# Altium PCB FMC_ADC_100M_10B_16CHA_TDC.PcbDoc (part 1 of 4) (continued)
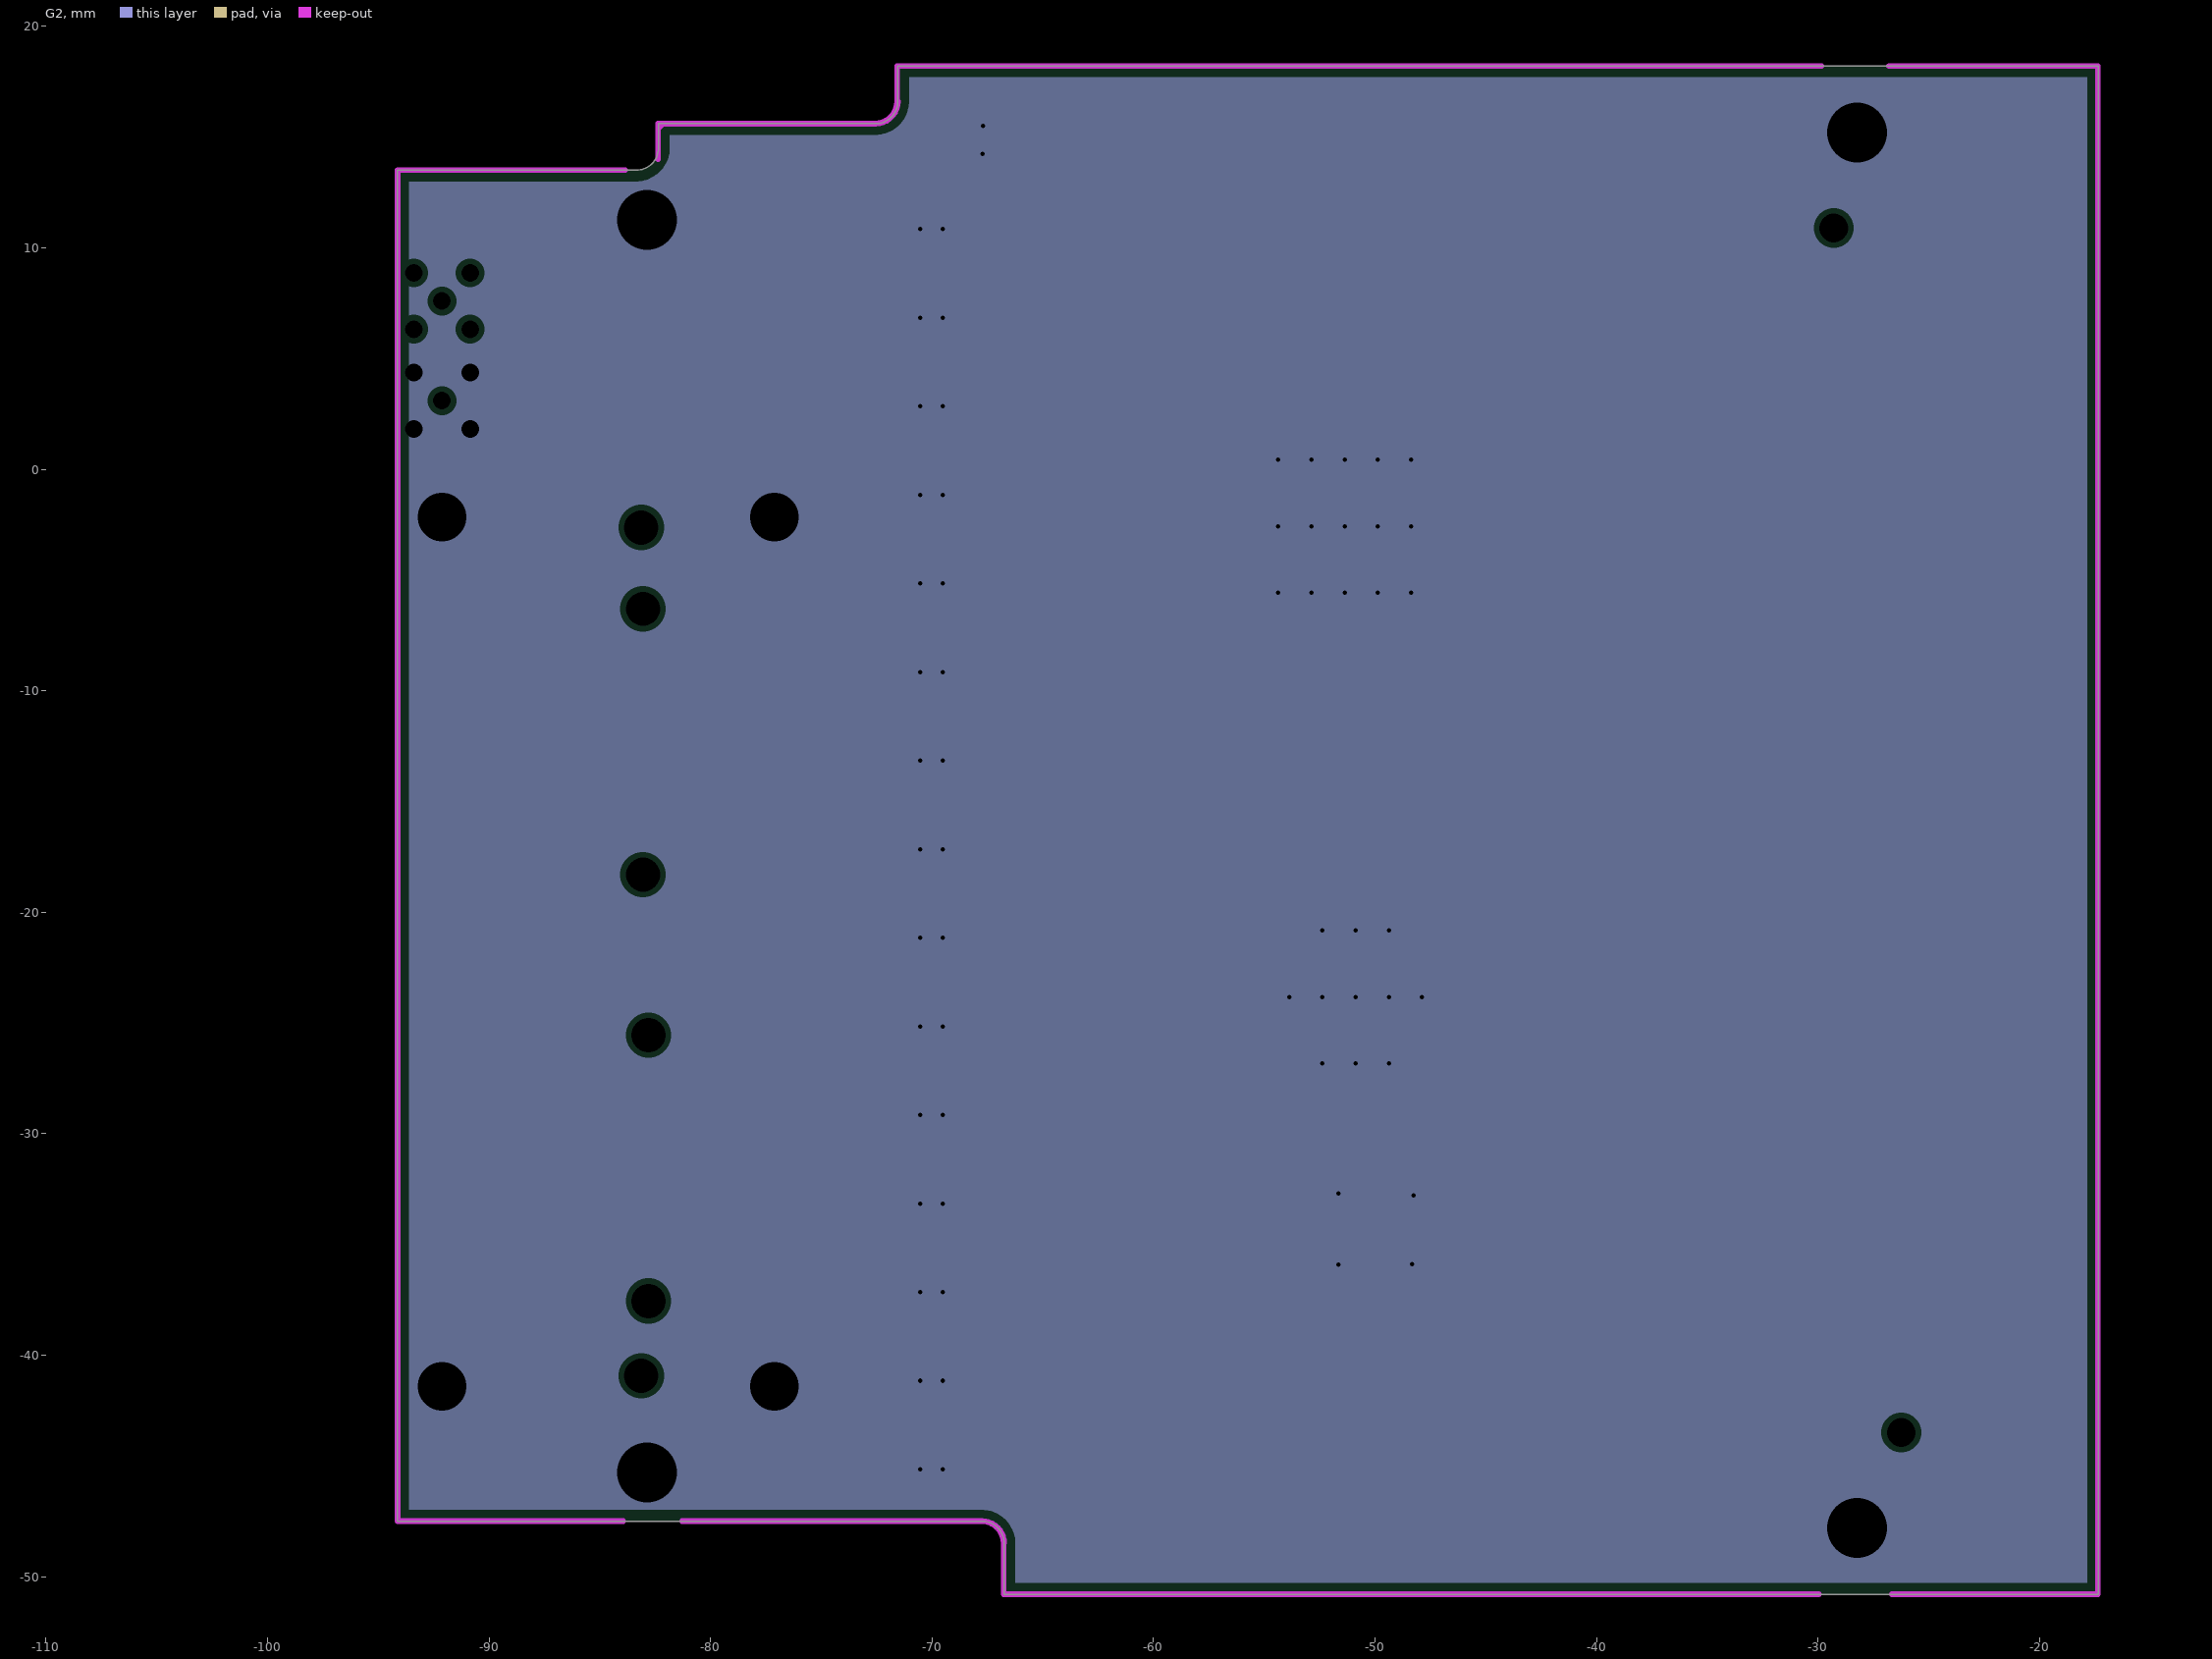
[diagram p3: G2, clearances drawn from the general rule]
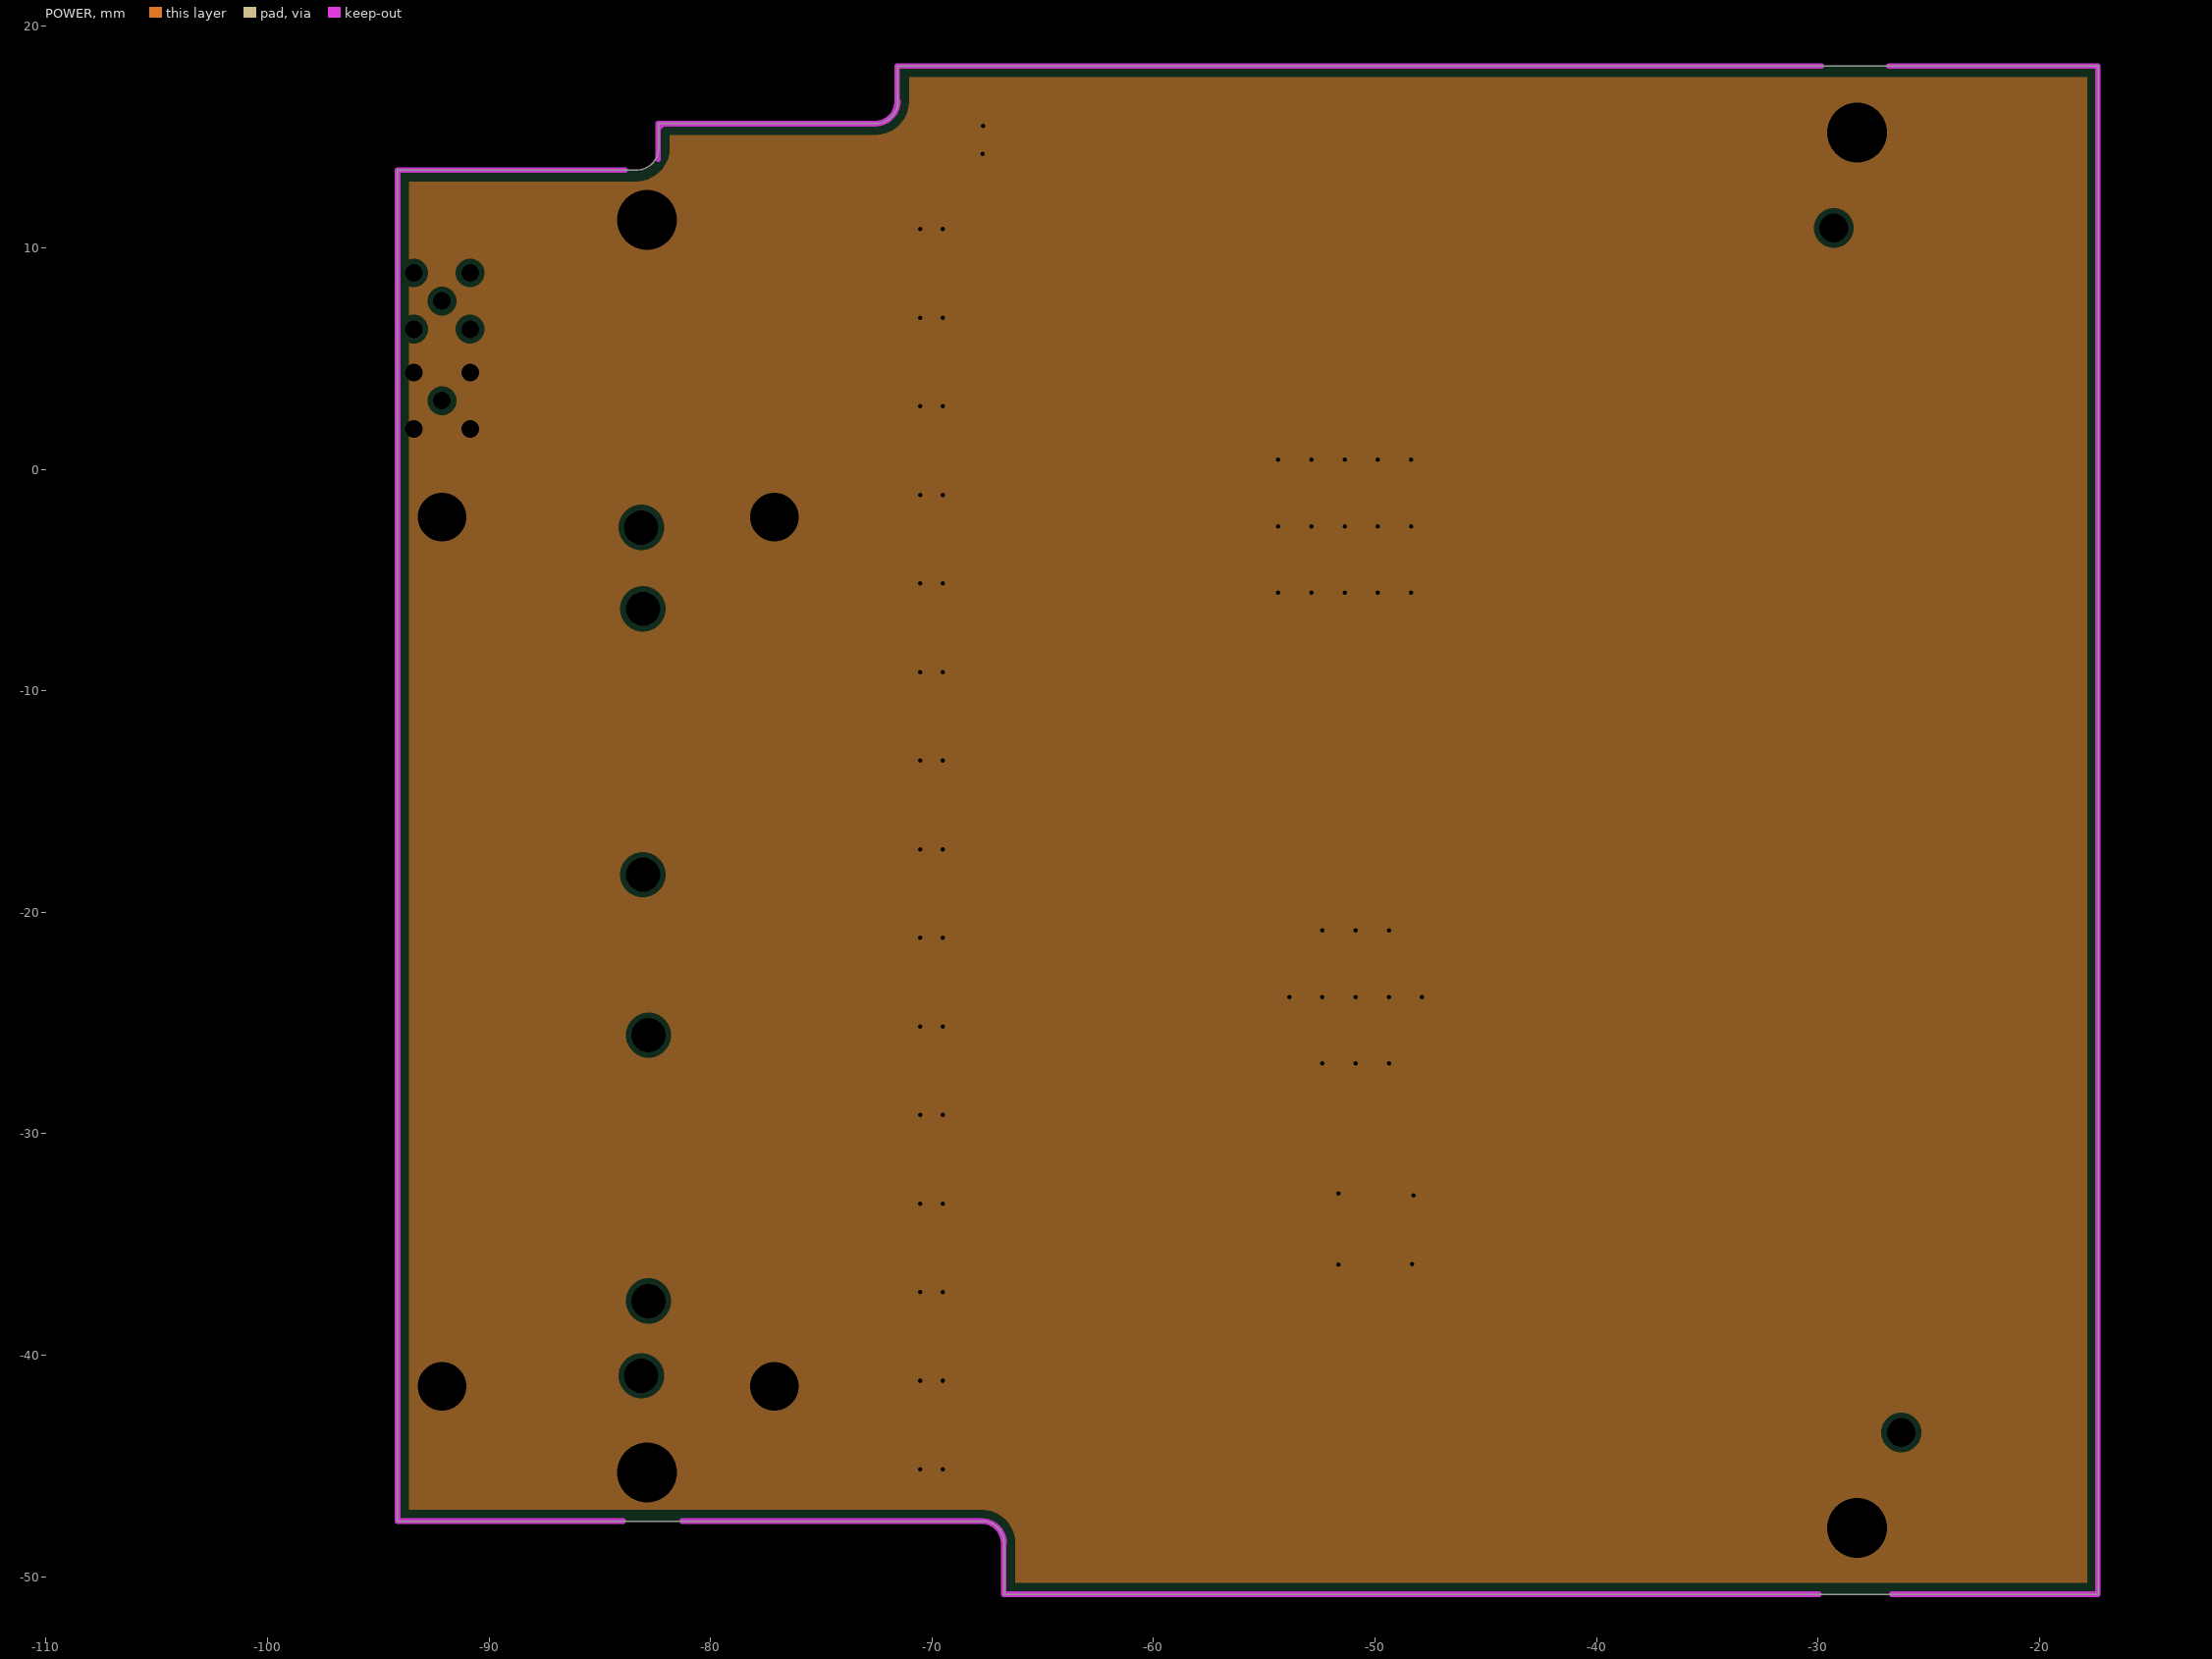
[diagram p4: POWER, clearances drawn from the general rule]

## Layer stack, top to bottom
TopSolder: solder mask 0.01, Solder Resist, Dk 3.5
TOP: signal copper 0.035
Dielectric1: prepreg 0.18, FR-4, Dk 4.8
G1: plane copper 0.018, net GND
Dielectric2: core 0.3, FR-4, Dk 4.8
L1: signal copper 0.018
Dielectric 3: prepreg 0.18, FR-4, Dk 4.8
G2: plane copper 0.018, net GND
Dielectric 4: core 0.3, FR-4, Dk 4.8
POWER: plane copper 0.018, net GND
Dielectric5: prepreg 0.18, FR-4, Dk 4.8
BOTTOM: signal copper 0.035
BottomSolder: solder mask 0.01, Solder Resist, Dk 3.5

## Board outline
-94.131,-47.49 -94.131,13.51 -83.347,13.51 ccw(c-83.347,14.51) -82.347,14.51 -82.347,15.61 -72.547,15.61 ccw(c-72.547,16.61) -71.547,16.61 -71.547,18.21 -17.347,18.21 -17.347,-50.79 -66.747,-50.79 -66.747,-48.49 ccw(c-67.747,-48.49) -67.747,-47.49

## Design rules (kind name [scope] priority, off if disabled: settings)
AcuteAngle [All] p1: minimum=4.50000000000000E+0001 checktracksonly=FALSE
AssemblyTestPointUsage [All] p1 off:
AssemblyTestpoint [All] p1 off: testpointundercomponent=TRUE minsize=1.016 maxsize=2.54 preferedsize=1.524 minholesize=0 maxholesize=1.016 preferedholesize=0.813 testpointgrid=0.025 usegrid=TRUE gridtolerance=0 allowsidetop=TRUE allowsidebottom=TRUE
Clearance "Clearance_gnd l3" [(InNamedPolygon('gnd L3'))] p1: gap=0.381 ignorepadtopadclearanceinfootprint=FALSE except(0: Arc-Hole Track-Hole SMDPad-Hole THPad-Hole Via-Hole Fill-Hole Poly-Hole Region-Hole Text-Hole)
Clearance "Clearance_poly gnd" [(InNamedPolygon('Top Layer-No Net') AND InNet('GND'))] p2: gap=0.254 ignorepadtopadclearanceinfootprint=FALSE except(0: Arc-Hole Track-Hole SMDPad-Hole THPad-Hole Via-Hole Fill-Hole Poly-Hole Region-Hole Text-Hole)
Clearance "Clearance_poly gnd_1" [InPolygon] p3: gap=0.254 ignorepadtopadclearanceinfootprint=FALSE except(0: Arc-Hole Track-Hole SMDPad-Hole THPad-Hole Via-Hole Fill-Hole Poly-Hole Region-Hole Text-Hole)
Clearance Clearance_1 [InNet('EXT_CLK_IN') vs InNetClass('Power')] p4 off: gap=0.254 ignorepadtopadclearanceinfootprint=FALSE except(0: Arc-Hole Track-Hole SMDPad-Hole THPad-Hole Via-Hole Fill-Hole Poly-Hole Region-Hole Text-Hole)
Clearance Clearance_trou [InNetClass('ADC_data') vs InNetClass('ADC_data')] p5 off: gap=0.102 ignorepadtopadclearanceinfootprint=FALSE except(0: Arc-Hole Track-Hole SMDPad-Hole THPad-Hole Via-Hole Fill-Hole Poly-Hole Region-Hole Text-Hole)
Clearance [All] p6: gap=0.076 ignorepadtopadclearanceinfootprint=FALSE except(0: Arc-Hole Track-Hole SMDPad-Hole THPad-Hole Via-Hole Fill-Hole Poly-Hole Region-Hole Text-Hole)
ComponentClearance NO_DRC [InComponentClass('NO_DRC')] p1 off: gap=0 collisioncheckmode=3 verticalgap=2540 showdistances=FALSE
ComponentClearance [All] p2 off: gap=0.025 collisioncheckmode=3 verticalgap=2540 showdistances=FALSE
DiffPairsRouting [All] p1: maxlimit=0.305 minlimit=0.203 mostfreqgap=0.254 toplayer_minwidth=0.381 toplayer_maxwidth=0.381 toplayer_prefwidth=0.381 midlayer2_minwidth=0.381 midlayer2_maxwidth=0.381 midlayer2_prefwidth=0.381 bottomlayer_minwidth=0.381 bottomlayer_maxwidth=0.381 bottomlayer_prefwidth=0.381 maxuncoupledlength=15.24
FabricationTestPointUsage TestPointUsage [All] p1 off: valid=0 allowmultiple=FALSE
FabricationTestpoint Testpoint [All] p1 off: side=3 testpointundercomponent=TRUE minsize=1.016 maxsize=2.54 preferedsize=1.524 minholesize=0 maxholesize=1.016 preferedholesize=0.813 testpointgrid=0.025 allowsidetop=TRUE allowsidebottom=TRUE usegrid=TRUE gridtolerance=0
FanoutControl Fanout_BGA [IsBGA] p1 off: bgadir=Out bgaviamode=Centered fanoutstyle=Auto fanoutdirection=Alternating viagrid=0.025 // Fanout_BGA (Default Rule)
FanoutControl Fanout_LCC [IsLCC] p2 off: bgadir=Out bgaviamode=Centered fanoutstyle=Auto fanoutdirection=Alternating viagrid=0.025 // Fanout_LCC (Default Rule)
FanoutControl Fanout_SOIC [IsSOIC] p3 off: bgadir=Out bgaviamode=Centered fanoutstyle=Auto fanoutdirection=Alternating viagrid=0.025 // Fanout_SOIC (Default Rule)
FanoutControl Fanout_Small [(CompPinCount < 5)] p4 off: bgadir=Out bgaviamode=Centered fanoutstyle=Auto fanoutdirection=OutThenIn viagrid=0.025 // Fanout_Small (Default Rule)
FanoutControl Fanout_Default [All] p5 off: bgadir=Out bgaviamode=Centered fanoutstyle=Auto fanoutdirection=Alternating viagrid=0.025 // Fanout_Default (Default Rule)
Height Height_Top [OnTop] p1 off: minheight=0 maxheight=9.398 prefheight=8.89
Height Height_Bot [OnBottom] p2 off: minheight=0 maxheight=1.473 prefheight=1.321
HoleSize [All] p1: absolutevalues=TRUE maxlimit=25.4 minlimit=0.15 maxpercent=80.000 minpercent=20.000
HoleToHoleClearance [All] p1: gap=0.127 allowstackedmicrovias=TRUE
MinimumAnnularRing [All] p1: minimumring=0.1
MinimumSolderMaskSliver [All] p1 off: minsoldermaskwidth=0.025
PlaneClearance [All] p1: clearance=0.25
PlaneConnect Vias_Plane [IsVia] p1: planeconnectstyle=Direct reliefexpansion=0.508 reliefentries=4 reliefconductorwidth=0.254 reliefairgap=0.254
PlaneConnect [All] p2: planeconnectstyle=Relief reliefexpansion=0.203 reliefentries=4 reliefconductorwidth=0.254 reliefairgap=0.203
PolygonConnect Direc [InPadClass(Direc)] p1: connectstyle=Direct reliefconductorwidth=0.254 reliefentries=4 polygonreliefangle="90 Angle" airgapwidth=0.254
PolygonConnect Vias [IsVia] p2: connectstyle=Direct reliefconductorwidth=0.254 reliefentries=4 polygonreliefangle="90 Angle" airgapwidth=0.254
PolygonConnect [All] p3: connectstyle=Direct reliefconductorwidth=0.406 reliefentries=4 polygonreliefangle="90 Angle" airgapwidth=0.254
RoomDefinition Translators [InComponentClass('Translators')] p1: confinementstyle=ConfineIn formatcopy=TRUE lockcomponents=FALSE outline -16.397,-42.841 264.352,-42.841 264.352,-36.841 -16.397,-36.841
RoomDefinition IDX_CTRL [InComponentClass('IDX_CTRL')] p2: confinementstyle=ConfineIn formatcopy=TRUE lockcomponents=FALSE outline -16.397,-49.091 17.853,-49.091 17.853,-41.591 -16.397,-41.591
RoomDefinition U_ADC1 [InComponentClass('U_ADC1')] p3: confinementstyle=ConfineIn formatcopy=TRUE lockcomponents=FALSE outline -57.5,-29 -45.25,-29 -45.25,-18.25 -57.5,-18.25
RoomDefinition U_ADC0 [InComponentClass('U_ADC0')] p4: confinementstyle=ConfineIn formatcopy=TRUE lockcomponents=FALSE outline -58,-7.75 -45.75,-7.75 -45.75,3 -58,3
RoomDefinition U_DACs [InComponentClass('U_DACs')] p5: confinementstyle=ConfineIn formatcopy=TRUE lockcomponents=FALSE outline -93.425,-37.982 -93.425,-26.15 -84.095,-26.15 -84.095,-37.982
RoomDefinition U_SAS_Connectors [InComponentClass('U_SAS_Connectors')] p6: confinementstyle=ConfineIn formatcopy=TRUE lockcomponents=FALSE outline -69.75,-49.25 -109.5,-49.25 -109.5,0.25 -69.75,0.25
RoomDefinition U_TDC3 [InComponentClass('U_TDC3')] p7: confinementstyle=ConfineIn formatcopy=TRUE lockcomponents=FALSE outline -57.625,-50.3 -42.375,-50.3 -42.375,-39.8 -57.625,-39.8
RoomDefinition U_TDC2 [InComponentClass('U_TDC2')] p8: confinementstyle=ConfineIn formatcopy=TRUE lockcomponents=FALSE outline -57.625,-39.65 -42.375,-39.65 -42.375,-29.15 -57.625,-29.15
RoomDefinition U_TDC1 [InComponentClass('U_TDC1')] p9: confinementstyle=ConfineIn formatcopy=TRUE lockcomponents=FALSE outline -57.875,-18.4 -42.625,-18.4 -42.625,-7.9 -57.875,-7.9
RoomDefinition U_TDC0 [InComponentClass('U_TDC0')] p10: confinementstyle=ConfineIn formatcopy=TRUE lockcomponents=FALSE outline -58.375,3.1 -43.125,3.1 -43.125,13.6 -58.375,13.6
RoomDefinition U_power_supply [InComponentClass('U_power_supply')] p11: confinementstyle=ConfineIn formatcopy=TRUE lockcomponents=FALSE outline -44.625,-41.9 -31.875,-41.9 -31.875,17.6 -44.625,17.6
RoomDefinition "U_FMC connector" [InComponentClass('U_FMC connector')] p12: confinementstyle=ConfineIn formatcopy=TRUE lockcomponents=FALSE outline -18.5,-49.75 -37,-49.75 -37,16.75 -18.5,16.75
RoomDefinition U_EEPROM_Temp [InComponentClass('U_EEPROM_Temp')] p13: confinementstyle=ConfineIn formatcopy=TRUE lockcomponents=FALSE outline -17.5,-51 -29.75,-51 -29.75,19.5 -17.5,19.5
RoomDefinition U_Clock_circuit [InComponentClass('U_Clock_circuit')] p14: confinementstyle=ConfineIn formatcopy=TRUE lockcomponents=FALSE outline -98.75,-45 -71.25,-45 -71.25,16.25 -98.75,16.25
RoomDefinition U_CFD14 [InComponentClass('U_CFD14')] p15: confinementstyle=ConfineIn formatcopy=TRUE lockcomponents=FALSE outline -73.625,-42.4 -58.325,-42.4 -58.325,-38.4 -73.625,-38.4
RoomDefinition U_CFD13 [InComponentClass('U_CFD13')] p16: confinementstyle=ConfineIn formatcopy=TRUE lockcomponents=FALSE outline -73.625,-38.4 -58.325,-38.4 -58.325,-34.4 -73.625,-34.4
RoomDefinition U_CFD12 [InComponentClass('U_CFD12')] p17: confinementstyle=ConfineIn formatcopy=TRUE lockcomponents=FALSE outline -73.625,-34.4 -58.325,-34.4 -58.325,-30.4 -73.625,-30.4
RoomDefinition U_CFD11 [InComponentClass('U_CFD11')] p18: confinementstyle=ConfineIn formatcopy=TRUE lockcomponents=FALSE outline -73.625,-30.4 -58.325,-30.4 -58.325,-26.4 -73.625,-26.4
RoomDefinition U_CFD10 [InComponentClass('U_CFD10')] p19: confinementstyle=ConfineIn formatcopy=TRUE lockcomponents=FALSE outline -73.625,-26.4 -58.325,-26.4 -58.325,-22.4 -73.625,-22.4
RoomDefinition U_CFD9 [InComponentClass('U_CFD9')] p20: confinementstyle=ConfineIn formatcopy=TRUE lockcomponents=FALSE outline -73.625,-22.4 -58.325,-22.4 -58.325,-18.4 -73.625,-18.4
RoomDefinition U_CFD8 [InComponentClass('U_CFD8')] p21: confinementstyle=ConfineIn formatcopy=TRUE lockcomponents=FALSE outline -73.625,-18.4 -58.325,-18.4 -58.325,-14.4 -73.625,-14.4
RoomDefinition U_CFD7 [InComponentClass('U_CFD7')] p22: confinementstyle=ConfineIn formatcopy=TRUE lockcomponents=FALSE outline -73.625,-14.4 -58.325,-14.4 -58.325,-10.4 -73.625,-10.4
RoomDefinition U_CFD6 [InComponentClass('U_CFD6')] p23: confinementstyle=ConfineIn formatcopy=TRUE lockcomponents=FALSE outline -73.625,-10.4 -58.325,-10.4 -58.325,-6.4 -73.625,-6.4
RoomDefinition U_CFD5 [InComponentClass('U_CFD5')] p24: confinementstyle=ConfineIn formatcopy=TRUE lockcomponents=FALSE outline -73.625,-6.4 -58.325,-6.4 -58.325,-2.4 -73.625,-2.4
RoomDefinition U_CFD4 [InComponentClass('U_CFD4')] p25: confinementstyle=ConfineIn formatcopy=TRUE lockcomponents=FALSE outline -73.625,-2.4 -58.325,-2.4 -58.325,1.6 -73.625,1.6
RoomDefinition U_CFD3 [InComponentClass('U_CFD3')] p26: confinementstyle=ConfineIn formatcopy=TRUE lockcomponents=FALSE outline -73.625,1.6 -58.325,1.6 -58.325,5.6 -73.625,5.6
RoomDefinition U_CFD2 [InComponentClass('U_CFD2')] p27: confinementstyle=ConfineIn formatcopy=TRUE lockcomponents=FALSE outline -73.625,5.6 -58.325,5.6 -58.325,9.6 -73.625,9.6
RoomDefinition U_CFD1 [InComponentClass('U_CFD1')] p28: confinementstyle=ConfineIn formatcopy=TRUE lockcomponents=FALSE outline -73.625,9.6 -58.325,9.6 -58.325,13.6 -73.625,13.6
RoomDefinition U_CFD0 [InComponentClass('U_CFD0')] p29: confinementstyle=ConfineIn formatcopy=TRUE lockcomponents=FALSE outline -71.325,13.6 -56.025,13.6 -56.025,17.6 -71.325,17.6
RoomDefinition FMC_ADC_100M_10B_16CHA_TDC [InComponentClass('FMC_ADC_100M_10B_16CHA_TDC')] p30: confinementstyle=ConfineIn formatcopy=TRUE lockcomponents=FALSE outline -35.75,-59.5 -22.5,-59.5 -22.5,-50.25 -35.75,-50.25
RoomDefinition U_CFD15 [InComponentClass('U_CFD15')] p31: confinementstyle=ConfineIn formatcopy=TRUE lockcomponents=FALSE outline -73.625,-46.4 -58.325,-46.4 -58.325,-42.4 -73.625,-42.4
RoutingCorners [All] p1 off: cornerstyle=45-Degree minsetback=2.54 maxsetback=2.54
RoutingLayers [All] p1 off: top layer_v5=TRUE mid layer 2_v5=TRUE bottom layer_v5=TRUE
RoutingVias [All] p1: holewidth=0.15 width=0.4 viastyle="Through Hole" minholewidth=0.15 minwidth=0.4 maxholewidth=3 maxwidth=5
ShortCircuit SMA_1 [InPadClass('SMA')] p2: allowed=TRUE
SilkToSilkClearance [All] p1 off: silktosilkclearance=0.051
SilkToSolderMaskClearance SilkscreenOverComponentPads [IsPad] p1 off: minsilkscreentomaskgap=0.051 clearancetoexposedcopper=TRUE
SolderMaskExpansion [All] p1: expansion=0.102
ViasUnderSMD ViasUnderSMD_allow [InComponent('IC1A')   or InComponent('IC1B') or        InComponent('IC1C')   or InComponent('IC1D') or InComponent('IC6')   or InComponent('IC7') or InComponent('IC9')   or InComponent('IC10') or InComponent('IC11')   or InComponent('IC12') or InComponent('IC15A')     or InComponent('IC15B') or InComponent('IC15C') or InComponent('IC15D')  or InComponent('IC16')  or InComponent('IC3')] p1: allowed=TRUE
ViasUnderSMD [All] p2: allowed=FALSE
Width Width_1 [InNetClass('Buff_data')] p1 off: maxlimit=0.162 minlimit=0.098 preferedwidth=0.135 toplayer_minwidth=0.111 midlayer2_maxwidth=0.161 midlayer2_prefwidth=0.127 bottomlayer_minwidth=0.111 minimp=45.000000 maximp=55.000000 favimp=50.000000
Width Width_3 [(InNet('RF1') OR InNet('RF2') OR InNet('RF3') OR InNet('RF4') OR InNet('RF5') OR InNet('RF6') OR InNet('RF7') OR InNet('EXT_CLK_IN'))] p2 off: maxlimit=0.145 minlimit=0.109 preferedwidth=0.135 toplayer_minwidth=0.12 midlayer2_maxwidth=0.139 midlayer2_prefwidth=0.127 bottomlayer_minwidth=0.12 minimp=48.000000 maximp=53.000000 favimp=50.000000
Width Width_Pair_Diff [All] p3: maxlimit=0.5 minlimit=0.2 preferedwidth=0.3 checkconnectedcopper=TRUE
Width [All] p4: maxlimit=2.54 minlimit=0.076 preferedwidth=0.254 toplayer_maxwidth=0.508 midlayer2_maxwidth=0.508 minimp=45.000000 maximp=110.000000 favimp=100.000000 checkconnectedcopper=TRUE
9 further rules are at their usual default settings.

## Classes and differential pairs
net class TDC_INT_VADJ[3..0]: TDC_INT_VADJ0 TDC_INT_VADJ1 TDC_INT_VADJ2 TDC_INT_VADJ3
net class TDC_PAR_VADJ[3..0]: TDC_PAR_VADJ0 TDC_PAR_VADJ1 TDC_PAR_VADJ2 TDC_PAR_VADJ3
net class TDC_PAR[3..0]: TDC_PAR0 TDC_PAR1 TDC_PAR2 TDC_PAR3
net class IDC_INT[3..0]: IDC_INT0 IDC_INT1 IDC_INT2 IDC_INT3
component class Translators: C43 C54 C64 C65 C66 C67 C68 C69 C76 C77 C78 C79 IC16 IC21 IC25 IC26 IC27 IC28 R10 R12 R51 R55 R56 R57 R58 R59 R60 R61 R83 R178 R179 TP10 TP11 TP12 TP13 TP14 TP16 TP17 TP18 TP19 TP20 TP21 TP22 TP23 TP24 TP25 TP26 TP27 TP28 TP29 TP31
component class FMC_ADC_100M_10B_16CHA_TDC: J2 R2 R3
channel class TDC: U_TDC0 U_TDC1 U_TDC2 U_TDC3
channel class CFD: U_CFD0 U_CFD1 U_CFD2 U_CFD3 U_CFD4 U_CFD5 U_CFD6 U_CFD7 U_CFD8 U_CFD9 U_CFD10 U_CFD11 U_CFD12 U_CFD13 U_CFD14 U_CFD15
net class CFD_OFFSET[15..0]: CFD_OFFSET0 CFD_OFFSET1 CFD_OFFSET2 CFD_OFFSET3 CFD_OFFSET4 CFD_OFFSET5 CFD_OFFSET6 CFD_OFFSET7 CFD_OFFSET8 CFD_OFFSET9 CFD_OFFSET10 CFD_OFFSET11 CFD_OFFSET12 CFD_OFFSET13 CFD_OFFSET14 CFD_OFFSET15
component class U_TDC3: C7D C32D C90D C111D C112D C113D C114D C115D C116D C117D C118D C119D C120D C121D C124D IC8D R125D R126D R127D R128D R129D R130D R131D R132D R134D R135D R137D
component class U_TDC2: C7C C32C C90C C111C C112C C113C C114C C115C C116C C117C C118C C119C C120C C121C C124C IC8C R125C R126C R127C R128C R129C R130C R131C R132C R134C R135C R137C
component class U_TDC1: C7B C32B C90B C111B C112B C113B C114B C115B C116B C117B C118B C119B C120B C121B C124B IC8B R125B R126B R127B R128B R129B R130B R131B R132B R134B R135B R137B
component class U_TDC0: C7A C32A C90A C111A C112A C113A C114A C115A C116A C117A C118A C119A C120A C121A C124A IC8A R125A R126A R127A R128A R129A R130A R131A R132A R134A R135A R137A
component class U_DACs: C37 C39 C83 C87 IC18 IC19 IC20 R121 R122 R123 R124
component class U_CFD15: C10P C23P C24P C25P C26P C27P C89P IC15P IC22P J1P J5P R7P R19P R21P R24P R25P R110P R111P R112P R113P R114P R115P R116P R117P R118P R120P
component class U_CFD14: C10O C23O C24O C25O C26O C27O C89O IC15O IC22O J1O J5O R7O R19O R21O R24O R25O R110O R111O R112O R113O R114O R115O R116O R117O R118O R120O
component class U_CFD13: C10N C23N C24N C25N C26N C27N C89N IC15N IC22N J1N J5N R7N R19N R21N R24N R25N R110N R111N R112N R113N R114N R115N R116N R117N R118N R120N
component class U_CFD12: C10M C23M C24M C25M C26M C27M C89M IC15M IC22M J1M J5M R7M R19M R21M R24M R25M R110M R111M R112M R113M R114M R115M R116M R117M R118M R120M
component class U_CFD11: C10L C23L C24L C25L C26L C27L C89L IC15L IC22L J1L J5L R7L R19L R21L R24L R25L R110L R111L R112L R113L R114L R115L R116L R117L R118L R120L
component class U_CFD10: C10K C23K C24K C25K C26K C27K C89K IC15K IC22K J1K J5K R7K R19K R21K R24K R25K R110K R111K R112K R113K R114K R115K R116K R117K R118K R120K
component class U_CFD9: C10J C23J C24J C25J C26J C27J C89J IC15J IC22J J1J J5J R7J R19J R21J R24J R25J R110J R111J R112J R113J R114J R115J R116J R117J R118J R120J
component class U_CFD8: C10I C23I C24I C25I C26I C27I C89I IC15I IC22I J1I J5I R7I R19I R21I R24I R25I R110I R111I R112I R113I R114I R115I R116I R117I R118I R120I
component class U_CFD7: C10H C23H C24H C25H C26H C27H C89H IC15H IC22H J1H J5H R7H R19H R21H R24H R25H R110H R111H R112H R113H R114H R115H R116H R117H R118H R120H